# Altium PCB FAB25_01.PcbDoc
Units mm, origin at the board's own origin, x right, y up, seen from the top; angles counter-clockwise.
Board outline 70 x 70 mm, 2 copper layers (Top Layer, Bottom Layer), stack 1.571 mm thick; 15 components, 15 nets, 54 pads, 0 vias.
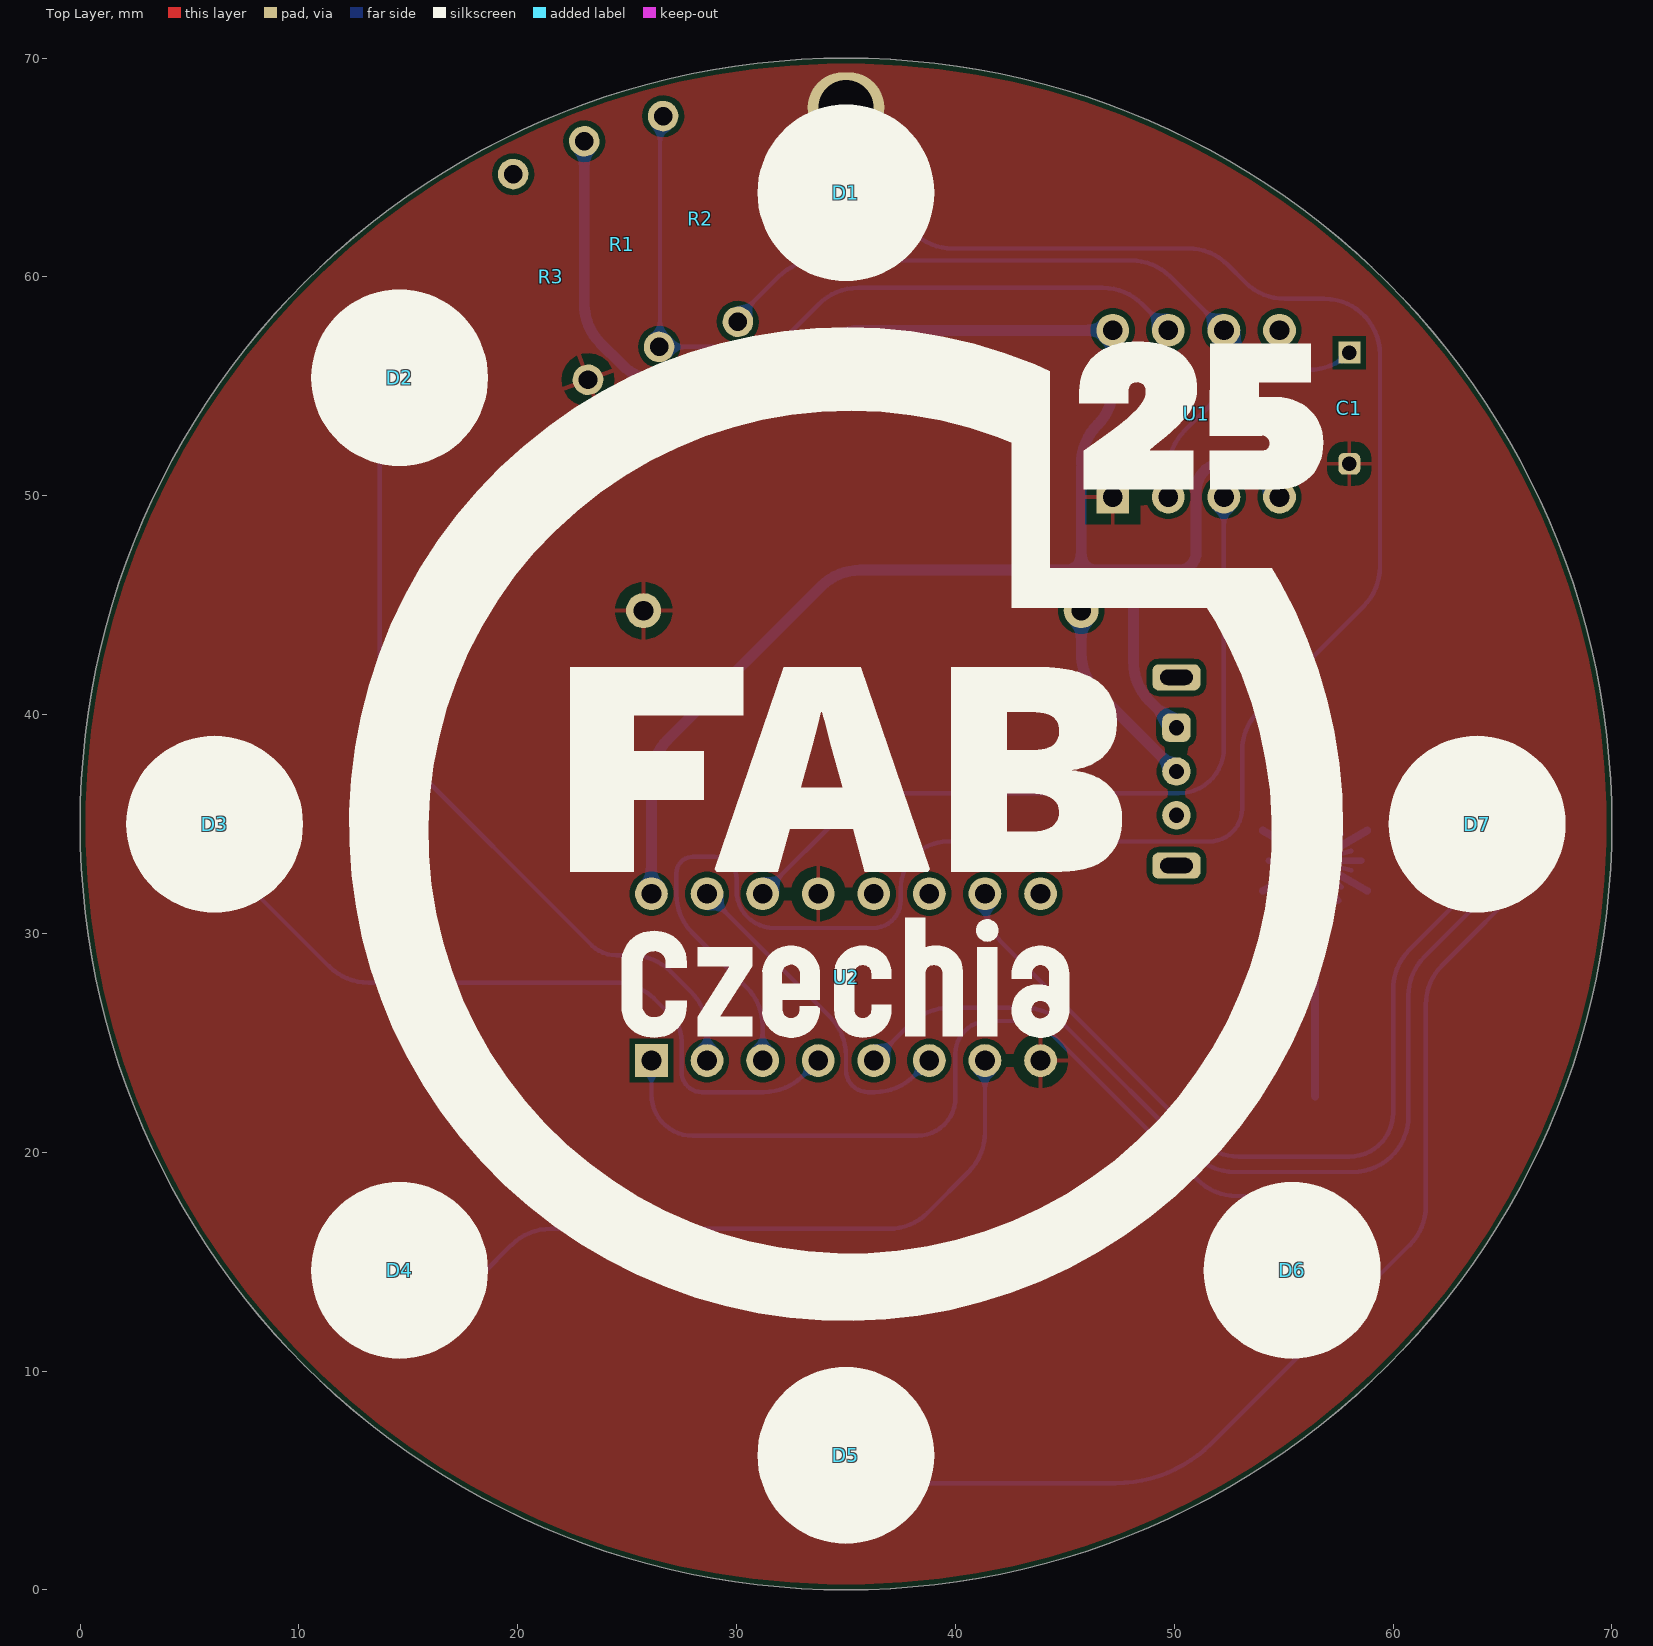
[diagram p0: Top Layer view]
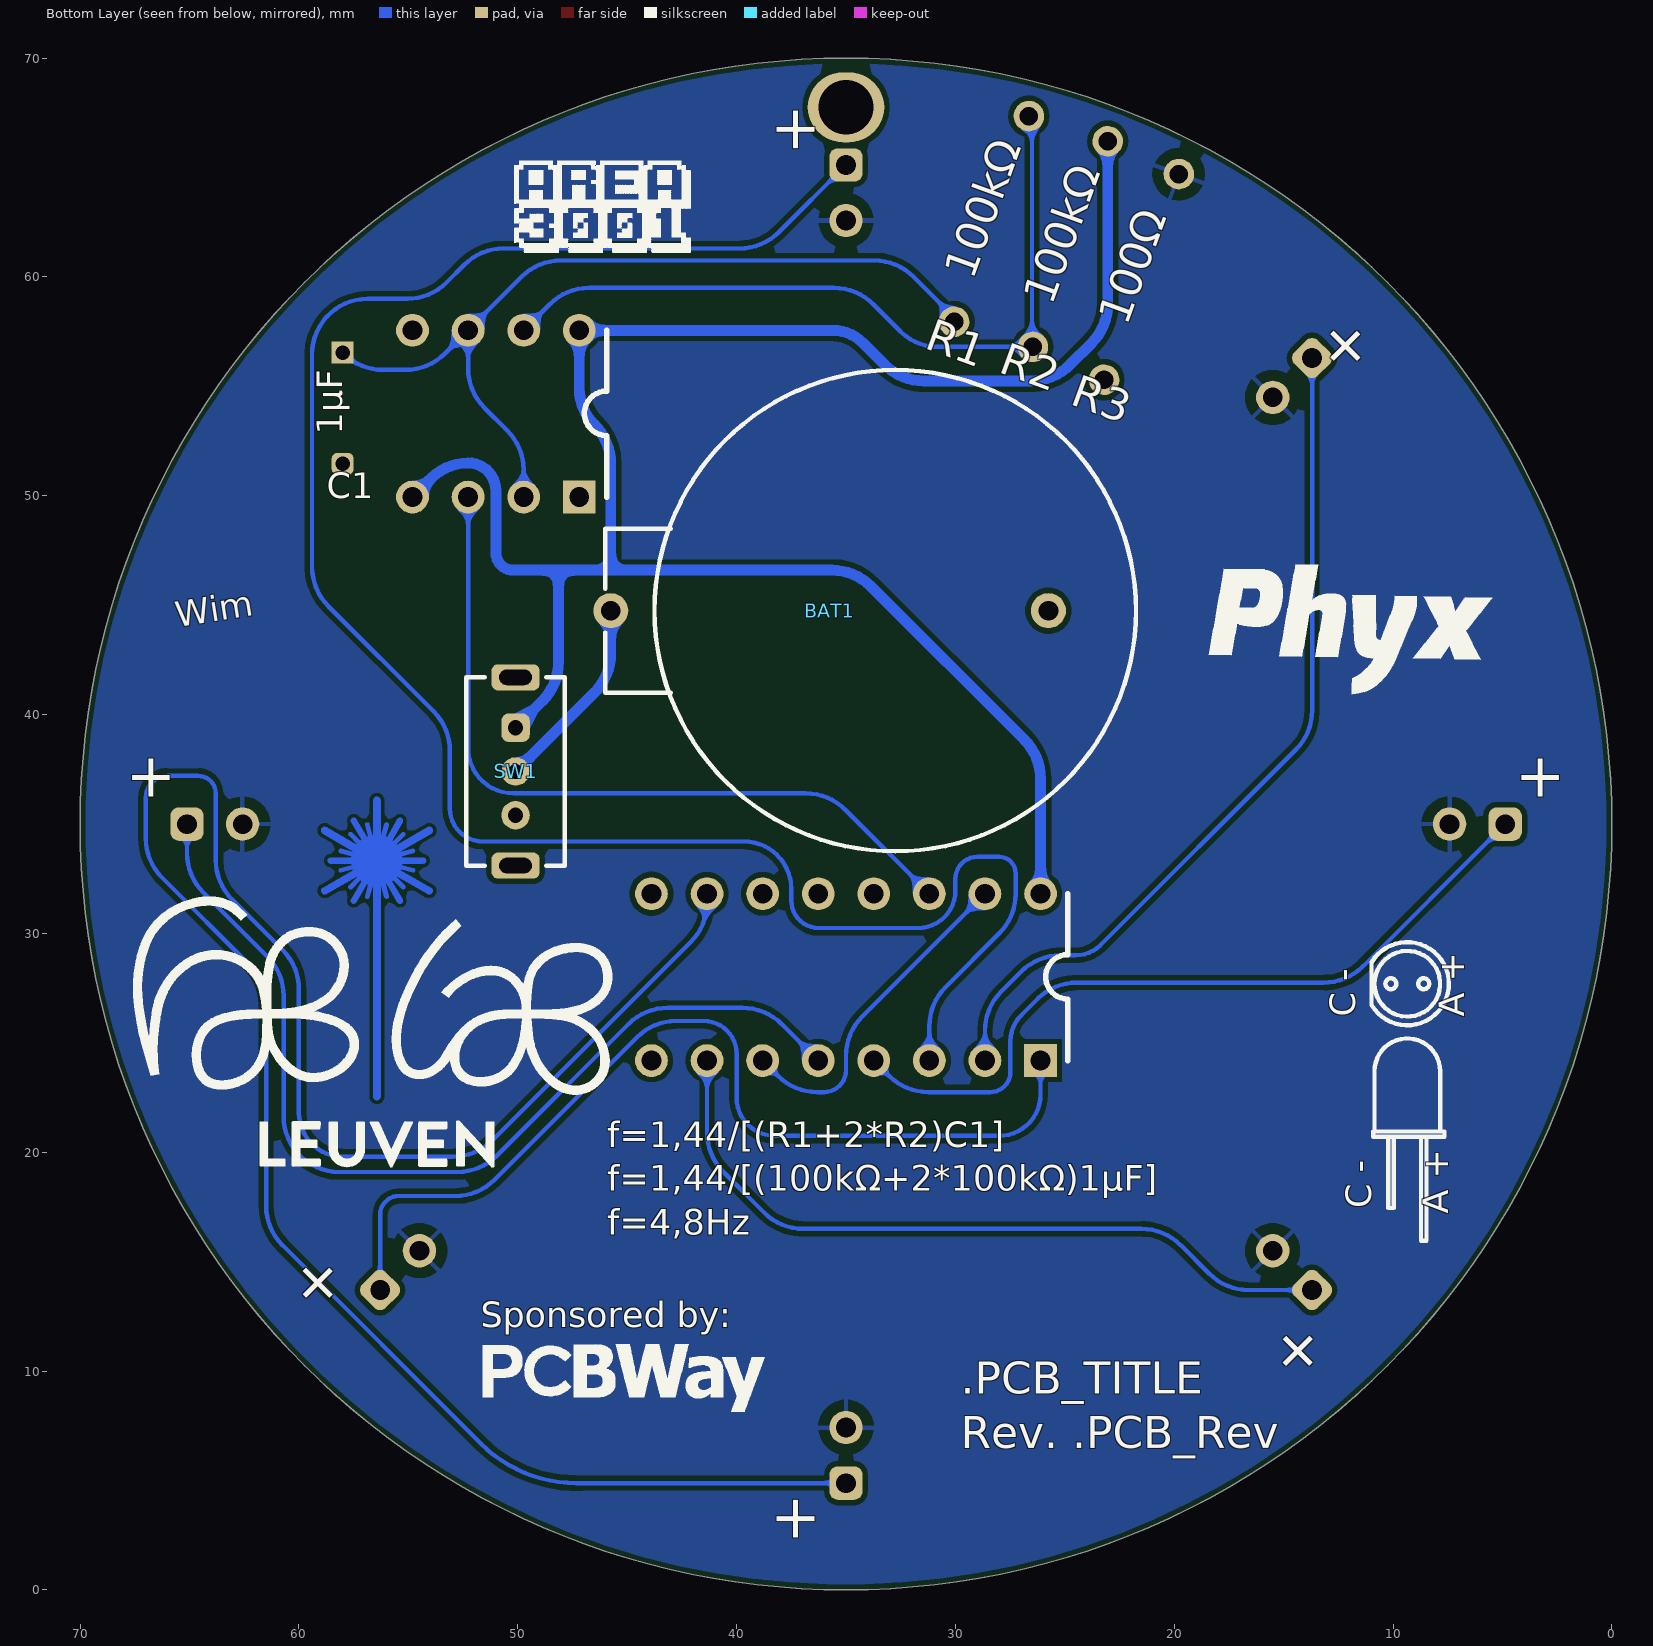
[diagram p1: Bottom Layer view, seen from below]
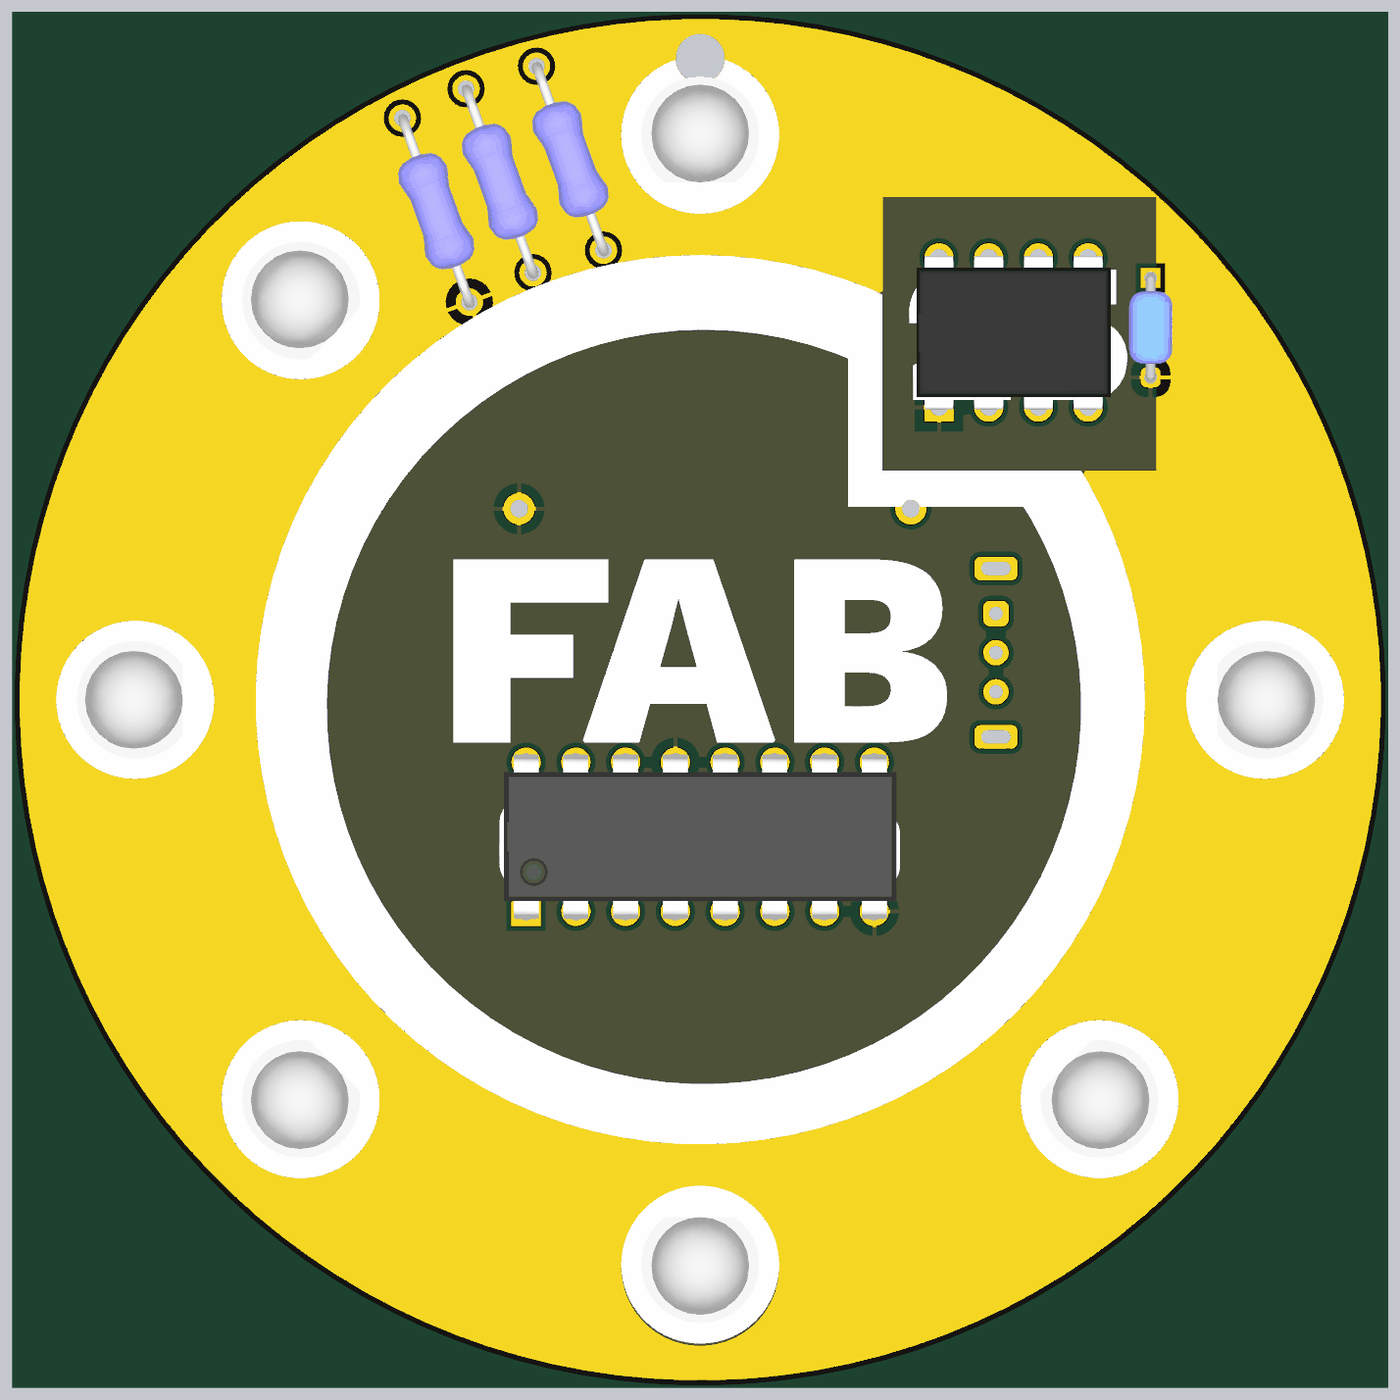
[diagram p2: 3D render of the assembled board from above, using the file's embedded part models]

## Layer stack, top to bottom
Top Solder: solder mask 0.0102, Solder Resist, Dk 3.5
Top Layer: signal copper 0.0356
Dielectric1: core 1.5, FR-4, Dk 4.8
Bottom Layer: signal copper 0.0356
Bottom Solder: solder mask 0.0102, Solder Resist, Dk 3.5

## Board outline
0,35 ccw(c35,35) 35,0 ccw(c35,35) 70,35 ccw(c35,35) 35,70 ccw(c35,35)

## Design rules (kind name [scope] priority, off if disabled: settings)
BoardOutlineClearance [NOT OnLayer('Top Overlay') AND NOT OnLayer('Bottom Overlay') AND NOT IsText AND NOT HasFootprint('MicroBIT_V2_PCB') AND NOT IsKeepOut AND NOT OnLayer('Top Solder')] p1: gap=0.5 ignorepadtopadclearanceinfootprint=FALSE except(0: Arc-SplitContinuation Track-SplitContinuation SMDPad-SplitContinuation THPad-SplitContinuation Via-SplitContinuation Fill-SplitContinuation Poly-SplitContinuation Region-SplitContinuation Text-SplitContinuation; 0.15: SMDPad-OutlineEdge THPad-OutlineEdge; 0.25: Poly-OutlineEdge Region-OutlineEdge; 0.3: Arc-OutlineEdge Track-OutlineEdge; 0.4: Via-OutlineEdge)
Clearance [All] p1: gap=0.15 ignorepadtopadclearanceinfootprint=FALSE except(0: Arc-Hole Track-Hole SMDPad-Hole THPad-Hole Via-Hole Fill-Hole Region-Hole Text-Hole; 0.25: Arc-Poly Track-Poly SMDPad-Poly THPad-Poly Via-Poly Fill-Poly Poly-Hole; 1.1: Poly-Poly)
ComponentClearance ComponentClearance_TP [HasFootprint('TP_2x3mm')] p1: gap=0 collisioncheckmode=3 verticalgap=0 showdistances=FALSE
ComponentClearance ComponentClearance_CO2 [InComponent('P5') OR InComponent('P8') OR InComponent('MOD2') vs InComponent('P5') OR InComponent('P8') OR InComponent('MOD2')] p2: gap=0 collisioncheckmode=3 verticalgap=0 showdistances=FALSE
ComponentClearance ComponentClearance_BAT [InComponent('P4')  OR InComponent('BAT1') OR InComponent('R27') vs InComponent('P4')  OR InComponent('BAT1') OR InComponent('R27')] p3: gap=0 collisioncheckmode=3 verticalgap=0 showdistances=FALSE
ComponentClearance ComponentClearance_R31-T5 [InComponent('R31') OR InComponent('T5') vs InComponent('R31') OR InComponent('T5')] p4: gap=0 collisioncheckmode=3 verticalgap=0 showdistances=FALSE
ComponentClearance "ComponentClearance_Selection resistors" [InComponent('R45') OR InComponent('R44') OR InComponent('R33') OR InComponent('R34') vs InComponent('R45') OR InComponent('R44') OR InComponent('R33') OR InComponent('R34')] p5: gap=0 collisioncheckmode=3 verticalgap=0 showdistances=FALSE
ComponentClearance ComponentClearance_T9-R4 [InComponent('R4') OR InComponent('T9') vs InComponent('R4') OR InComponent('T9')] p6: gap=0 collisioncheckmode=3 verticalgap=0 showdistances=FALSE
ComponentClearance ComponentClearance_IR [InComponent('D6') OR InComponent('D15') vs InComponent('D6') OR InComponent('D15')] p7: gap=0 collisioncheckmode=3 verticalgap=0 showdistances=FALSE
ComponentClearance [All] p8: gap=0.25 collisioncheckmode=3 verticalgap=0.25 showdistances=FALSE
DiffPairsRouting [All] p1: maxlimit=0.254 minlimit=0.2 mostfreqgap=0.2 toplayer_minwidth=0.25 toplayer_maxwidth=0.5 toplayer_prefwidth=0.25 bottomlayer_minwidth=0.25 bottomlayer_maxwidth=0.5 bottomlayer_prefwidth=0.25 maxuncoupledlength=12.7
HoleSize [All] p1: absolutevalues=TRUE maxlimit=20 minlimit=0.025 maxpercent=80.000 minpercent=20.000
PolygonConnect PolygonConnect_VIA [IsVia] p1: connectstyle=Direct reliefconductorwidth=0.254 reliefentries=4 polygonreliefangle="90 Angle" airgapwidth=0.254
PolygonConnect PolygonConnect_TOP_HOLE [InPadClass('LANYARD') vs InNet('GND')] p2: connectstyle=Direct reliefconductorwidth=0.254 reliefentries=4 polygonreliefangle="90 Angle" airgapwidth=0.254
PolygonConnect [All] p3: connectstyle=Relief reliefconductorwidth=0.2 reliefentries=4 polygonreliefangle="90 Angle" airgapwidth=0.5
RoutingVias [All] p1: holewidth=0.3 width=0.7 viastyle="Through Hole" minholewidth=0.3 minwidth=0.2 maxholewidth=0.6 maxwidth=1.2
SilkToSolderMaskClearance SilkscreenOverComponentPads [IsPad] p1: minsilkscreentomaskgap=0.254 clearancetoexposedcopper=TRUE
SolderMaskExpansion [All] p1: expansion=0.05 istentingtop=FALSE
SupplyNets "Schematic Supply Nets_3" [InNet('VBAT')] p1: voltage=0.000
SupplyNets "Schematic Supply Nets_2" [InNet('GND')] p2: voltage=0.000
Width [All] p1: maxlimit=5 minlimit=0.15 preferedwidth=0.25
26 further rules are at their usual default settings.

## Classes and differential pairs
pad class LANYARD: Free-0

## Components (designator, comment, footprint, x,y, rotation, side; value= is the part's Value field where it differs from the comment)
BAT1 "CR2032 Battery Holder" BAT_CR2032_China 38.75,44.75 r0 bottom value=CR2032
C1 "CAP_CERAMIC" C_5.08mm 58,54 r270 top value="1uF 50V X7R"
D1 "Default 5mm Red LED" LED_5MM_RD 34.999,63.845 r270 top
D2 "Default 5mm Red LED" LED_5MM_RD 14.599,55.394 r315 top
D3 "Default 5mm Red LED" LED_5MM_RD 6.148,34.994 r0 top
D4 "Default 5mm Red LED" LED_5MM_RD 14.599,14.601 r45 top
D5 "Default 5mm Red LED" LED_5MM_RD 34.999,6.15 r90 top
D6 "Default 5mm Red LED" LED_5MM_RD 55.392,14.601 r135 top
D7 "Default 5mm Red LED" LED_5MM_RD 63.844,34.994 r180 top
R1 "RESISTOR" RES_10mm 24.75,61.5 r110 top value=100k
R2 "RESISTOR" RES_10mm 28.35,62.65 r110 top value=100k
R3 "RESISTOR" RES_10mm 21.5,60 r110 top value=100R
SW1 "mini Switch 1 pole double throw" SS-12D07 50.1,37.4 r270 bottom value=SS-12D07
U1 "General purpose Timer IC 555 3V DIP 8" DIP_N_8 51,53.75 r0 top value=555
U2 "CD74HC4017 High-Speed CMOS Logic Decade Counter/Divider with 10 Decoded Outputs" DIP_N_16 35,28 r0 top value=CD74HC4017E

## Footprints (in the part's own frame and the unit in brackets; to place one, negate y for a bottom-side part, rotate by r counter-clockwise, add the part's x,y. Pads: shape width x height; smd on the part's side, far side on the other; paste and mask are expansions set on the pad)
BAT_CR2032_China [mm]
  round 1.6 hole 0.9: 1(7,0) 2(-13,0)
  silkscreen extent -17,-11 7.25,11, body extent -17,-11 7.25,11, height 9.2
C_5.08mm [mm] "Ceramic Cap 5.08mm pitch"
  rect 1x1 hole 0.65: 1(-2.54,0)
  rrect50% 1x1 hole 0.65: 2(2.54,0)
  body extent -2.79,-1.1 2.79,1.11, height 6.2
DIP_N_8 [mm] "300mil body width"
  rect 1.5x1.5 hole 0.9: 1(-3.81,-3.81)
  round 1.5 hole 0.9: 2(-1.27,-3.81) 3(1.27,-3.81) 4(3.81,-3.81) 5(3.81,3.81) 6(1.27,3.81) 7(-1.27,3.81) 8(-3.81,3.81)
  body extent -4.95,-3.91 4.95,3.91, height 4.57
DIP_N_16 [mm] "300mil body width"
  rect 1.5x1.5 hole 0.9: 1(-8.89,-3.81)
  round 1.5 hole 0.9: 2(-6.35,-3.81) 3(-3.81,-3.81) 4(-1.27,-3.81) 5(1.27,-3.81) 6(3.81,-3.81) 7(6.35,-3.81) 8(8.89,-3.81) 9(8.89,3.81) 10(6.35,3.81) 11(3.81,3.81) 12(1.27,3.81) 13(-1.27,3.81) 14(-3.81,3.81) 15(-6.35,3.81) 16(-8.89,3.81)
  body extent -10.02,-4.57 10.02,4.57, height 3.6
LED_5MM_RD [mil] "5mm LED RED"
  rrect50% 60x60 hole 35.43: 1(-50,0)
  round 60 hole 35.43: 2(50,0)
  silkscreen extent -118,-118 98,118, body extent -117,-118 96,119, height 485
RES_10mm [mm] "TH 10mm pitch resistor"
  round 1.4 hole 0.85: 1(-5,0) 2(5,0)
  body extent -5.31,-1.3 5.19,1.3, height 2.67
SS-12D07 [mm] "SWITCH, SPDT, THT,"
  rrect50% 1.2x2.2 hole 0.7 slot 1.5 at 90 deg: 0(-4.3,0) 0(4.3,0)
  rrect50% 1.3x1.3 hole 0.7: 1(-2,0)
  round 1.3 hole 0.7: 2(0,0) 3(2,0)
  silkscreen extent -4.3,-2.25 4.3,2.25, body extent -4.3,-2.25 4.3,2.25, height 7.7

## Part data
BAT1: library part "BAT 20mm Coin Cell Holder Generic", "=Description", Supplier Part Number 1=C5239862, Supplier 1=LCSC, Supplier 2=LCSC, Supplier Part Number 2=C70376
C1: library part "CAP 1uF 50V X7R 5.08mm", "Capacitor Ceramic", Supplier Part Number 1=C263186, Supplier 1=LCSC, Supplier 2=LCSC, Supplier Part Number 2=C5632434
D1 D2 D3 D4 D5 D6 D7: library part "LED Red 5mm", "=Description", Supplier Part Number 1=2335725, Supplier 1=Farnell, Supplier 2=LCSC, Supplier Part Number 2=C2895484
R1 R2: library part "RES 100k 1/4W", Supplier Part Number 1=C2903268, Supplier 1=LCSC, Supplier 2=LCSC, Supplier 3=Generic, Supplier Part Number 2=C2843019, Supplier Part Number 3="100k 1/4W 1% TH 10mm"
R3: library part "RES 100R 1/4W", Supplier Part Number 1=C57438, Supplier 1=LCSC, Supplier 2=LCSC, Supplier 3=Generic, Supplier Part Number 2=C2903231, Supplier Part Number 3="100R 1/4W 1% TH 10mm"
SW1: library part "SW 1P2T micro SS-12D07", Supplier Part Number 1=C22435632, Supplier 1=LCSC, Supplier 2=LCSC, Supplier 3=LCSC, Supplier Part Number 2=C22435634, Supplier Part Number 3=C22435633
U1: library part "555 Timer DIP8 3V", "=Description", Supplier Part Number 1=C725329, Supplier 1=LCSC, Supplier 2=LCSC, Supplier Part Number 2=C5274684
U2: library part "COUNT CD74HC4017E DIP16", "=Description", Supplier Part Number 1=CD74HC4017E, Supplier 1=Ti, Supplier 2=LCSC, Supplier 3=Farnell, Supplier Part Number 2=C354048, Supplier Part Number 3=3119779

## Free pads (board coordinates)
  oval 3.5x3.2 hole 2.5 mask+0.1: 0(35,67.75)

## Nets (pads, with @x,y where several pads share a name; then routed paths per layer and width w, separated by ;. In a path a pad name is that pad's centre, name@x,y a point inside that pad or via, vN(x,y) a via of type N, cw(c..) or ccw(c..) an arc to the next point about the centre after c; other vN are vias at no path point)
CLOCK: U1.3 U2.14 | length 35.5
  Bottom Layer w0.2: U2.14 35.036,35.656 cw(c36.832,33.86) 36.832,36.4 50.2,36.4 ccw(c50.2,38.47) 52.27,38.47 U1.3
GND: BAT1.2 C1.2 pad.0 R3.1 U1.1 U2.8 U2.13
LED_C: D1.2 D2.2 D3.2 D4.2 D5.2 D6.2 D7.2 R3.2 | length 0.1
  Bottom Layer w0.2: R3.2 ccw(c19.79,64.849) R3.2@19.896,64.743
NetBAT1_1: BAT1.1 SW1.2 | length 9
  Bottom Layer w0.5: BAT1.1 45.75,42.802 ccw(c48.29,42.802) 46.494,41.006 SW1.2
NetC1_1: C1.1 R2.1 U1.2 U1.6 | length 39.6
  Bottom Layer w0.2: R2.1@29.96,58.052 31.915,60.006 cw(c33.711,58.21) 33.711,60.75 48.028,60.75 cw(c48.028,58.21) 49.824,60.006 U1.6 ; U1.2 49.73,51.178 cw(c52.27,51.178) 50.474,52.974 51.526,54.026 ccw(c49.73,55.822) 52.27,55.822 U1.6 ; C1.1 57.954,56.494 cw(c56.158,58.29) 56.158,55.75 55.132,55.75 cw(c55.132,58.29) 53.336,56.494 U1.6
NetD1_1: D1.1 U2.3 | length 92.9
  Bottom Layer w0.2: U2.3 31.19,25.758 ccw(c28.65,25.758) 30.446,27.554 27.994,30.006 cw(c29.79,31.802) 27.25,31.802 27.25,32.75 cw(c28,32.75) 28,33.5 29,33.5 cw(c29,32.5) 30,32.5 30,31.957 ccw(c31.707,31.957) 30.5,30.75 ccw(c31.707,31.957) 31.707,30.25 36.25,30.25 ccw(c36.25,31.5) 37.5,31.5 37.5,32.036 cw(c39.664,32.036) 39.664,34.2 51.6,34.2 ccw(c51.6,35.7) 53.1,35.7 53.1,38.348 cw(c55.64,38.348) 53.844,40.144 58.656,44.956 ccw(c56.86,46.752) 59.4,46.752 59.4,56.46 ccw(c56.86,56.46) 56.86,59 55.052,59 cw(c55.052,61.54) 53.256,59.744 52.444,60.556 ccw(c50.648,58.76) 50.648,61.3 39.867,61.3 cw(c39.867,63.84) 38.071,62.044 D1.1
NetD2_1: D2.1 U2.2 | length 39.3
  Bottom Layer w0.2: D2.1 13.701,40.191 ccw(c16.241,40.191) 14.445,38.395 23.373,29.467 ccw(c24.5,30.593) 24.5,29 25.198,29 cw(c25.198,26.46) 26.994,28.256 27.906,27.344 cw(c26.11,25.548) 28.65,25.548 U2.2
NetD3_1: D3.1 U2.4 | length 35.5
  Bottom Layer w0.2: D3.1 5.286,34.586 11.378,28.494 ccw(c13.174,30.29) 13.174,27.75 13.929,27.75 24.448,27.75 cw(c24.448,25.21) 26.244,27.006 27,26.25 cw(c25.825,25.075) 27.487,25.075 27.487,23.672 ccw(c28.409,23.672) 28.409,22.75 31.238,22.75 ccw(c31.238,25.29) 33.034,23.494 U2.4
NetD4_1: D4.1 U2.7 | length 34.1
  Bottom Layer w0.2: D4.1 16.6,13.703 ccw(c16.6,16.243) 18.396,14.447 19.705,15.756 cw(c21.501,13.96) 21.501,16.5 36.948,16.5 ccw(c36.948,19.04) 38.744,17.244 40.606,19.106 ccw(c38.81,20.902) 41.35,20.902 U2.7
NetD5_1: D5.1 U2.10 | length 98.3
  Bottom Layer w0.2: D5.1 47.318,4.88 ccw(c47.318,11.063) 51.691,6.691 60.756,15.756 ccw(c58.96,17.552) 61.5,17.552 61.5,26.748 cw(c64.04,26.748) 62.244,28.544 66.256,32.556 ccw(c64.46,34.352) 67,34.352 67,36.2 ccw(c66,36.2) 66,37.2 64.6,37.2 ccw(c64.6,36.4) 63.8,36.4 63.8,33.352 cw(c61.26,33.352) 63.056,31.556 60.744,29.244 ccw(c62.54,27.448) 60,27.448 60,21.8 cw(c58,21.8) 58,19.8 52.952,19.8 cw(c52.952,22.34) 51.156,20.544 42.094,29.606 cw(c43.89,31.402) 41.35,31.402 U2.10
NetD6_1: D6.1 U2.1 | length 43.7
  Bottom Layer w0.2: U2.1 26.11,22.64 ccw(c28,22.64) 28,20.75 38.25,20.75 ccw(c38.25,22.5) 40,22.5 40,24.5 cw(c41.5,24.5) 41.5,26 42.754,26 cw(c42.754,23.46) 44.55,25.256 51.062,18.744 ccw(c52.858,20.54) 52.858,18 55.434,18 cw(c55.434,17.144) 56.29,17.144 D6.1
NetD7_1: D7.1 U2.5 | length 44.6
  Bottom Layer w0.2: U2.5 37.936,25.856 cw(c39.732,24.06) 39.732,26.6 43.148,26.6 cw(c43.148,24.06) 44.944,25.856 50.956,19.844 ccw(c52.752,21.64) 52.752,19.1 58.16,19.1 ccw(c58.16,21.64) 60.7,21.64 60.7,27.148 cw(c63.24,27.148) 61.444,28.944 64.37,31.87 ccw(c62.574,33.666) 65.114,33.666 D7.1
NetR1_1: R1.1 R2.2 U1.7 | length 35.6
  Bottom Layer w0.2: R2.2@26.54,67.448 R2.2 26.5,67.209 26.5,56.841 R1.1 30.814,56.802 ccw(c30.814,59.186) 32.5,57.5 33.756,58.756 cw(c35.552,56.96) 35.552,59.5 46.738,59.5 cw(c46.738,56.96) 48.534,58.756 U1.7
NetU2_6: U2.6 U2.15 | length 15.4
  Bottom Layer w0.2: U2.15 34.256,26.204 cw(c32.46,24.408) 35,24.408 35,23.75 ccw(c36,23.75) 36,22.75 36.318,22.75 ccw(c36.318,25.29) 38.114,23.494 U2.6
VBAT: R1.2 SW1.1 U1.4 U1.8 U2.16 | length 96.2
  Bottom Layer w0.5: R1.2 23.04,58.762 ccw(c25.58,58.762) 23.784,56.966 24.756,55.994 ccw(c26.552,57.79) 26.552,55.25 31.448,55.25 ccw(c31.448,57.79) 33.244,55.994 34.25,57 cw(c35.602,55.648) 35.602,57.56 U1.8 47.19,54.916 cw(c44.834,54.916) 46.5,53.25 46.494,53.244 ccw(c48.29,51.448) 45.75,51.448 ; U2.16 26.11,37.058 cw(c28.65,37.058) 26.854,38.854 33.856,45.856 cw(c35.652,44.06) 35.652,46.6 45.75,46.6 ; 45.75,51.3 45.75,46.6 ; SW1.1 48.881,40.619 cw(c50.677,42.415) 48.137,42.415 48.137,46.6 ; U1.4 53.943,50.807 ccw(c52.27,49.134) 52.27,51.5 ccw(c52.27,50.23) 51,50.23 51,47.4 cw(c50.2,47.4) 50.2,46.6 48.137,46.6 ; 45.75,46.6 48.137,46.6
pads on no net: SW1.0 SW1.3 U1.5 U2.9 U2.11 U2.12

## Polygon pours and split planes (outlines as drawn)
GND on Top Layer "NONET_L-01_P-001" (solid, remove dead copper, pour order 5): 0,0 0,70 70,70 70,0
LED_C on Bottom Layer "NONET_L-01_P-001" (solid, remove dead copper, pour order 1): 0,0 0,70 70,70 70,0

## Other copper
Bottom Layer:
  region: 58.731,31.803 ccw(c58.814,31.948) 58.898,32.093 57.524,32.887 ccw(c56.443,33.333) 57.539,32.926 58.053,32.788 ccw(c58.079,32.885) 58.105,32.982 57.593,33.12 ccw(c56.443,33.333) 57.604,33.19 58.552,33.19 ccw(c58.552,33.324) 58.552,33.458 57.606,33.458 ccw(c56.443,33.333) 57.596,33.532 58.106,33.668 ccw(c58.08,33.765) 58.054,33.862 57.544,33.726 ccw(c56.443,33.333) 57.53,33.765 58.903,34.559 ccw(c58.82,34.704) 58.736,34.849 57.363,34.055 ccw(c56.443,33.333) 57.339,34.085 57.709,34.455 ccw(c57.638,34.526) 57.567,34.597 57.197,34.227 ccw(c56.443,33.333) 57.14,34.272 57.61,35.087 ccw(c57.494,35.154) 57.378,35.221 56.908,34.406 ccw(c56.443,33.333) 56.838,34.434 56.975,34.942 ccw(c56.877,34.968) 56.78,34.994 56.644,34.485 ccw(c56.443,33.333) 56.604,34.492 56.604,36.082 ccw(c56.437,36.082) 56.27,36.082 56.27,34.49 ccw(c56.443,33.333) 56.231,34.483 56.094,34.994 ccw(c55.997,34.969) 55.897,34.969 ccw(c55.997,34.969) 55.9,34.943 56.037,34.43 ccw(c56.443,33.333) 55.969,34.402 55.496,35.22 ccw(c55.38,35.153) 55.246,35.153 ccw(c55.38,35.153) 55.264,35.086 55.738,34.266 ccw(c56.443,33.333) 55.683,34.222 55.308,34.598 ccw(c55.237,34.527) 55.136,34.527 ccw(c55.237,34.527) 55.166,34.456 55.542,34.079 ccw(c56.443,33.333) 55.517,34.047 54.13,34.849 ccw(c54.046,34.704) 53.879,34.704 ccw(c54.046,34.704) 53.963,34.559 55.353,33.756 ccw(c56.443,33.333) 55.341,33.726 54.821,33.865 ccw(c54.795,33.768) 54.695,33.768 ccw(c54.795,33.768) 54.769,33.671 55.29,33.531 ccw(c56.443,33.333) 55.28,33.457 54.324,33.456 ccw(c54.324,33.322) 54.19,33.322 ccw(c54.324,33.322) 54.324,33.188 55.283,33.189 ccw(c56.443,33.333) 55.292,33.125 54.768,32.985 ccw(c54.794,32.888) 54.694,32.888 ccw(c54.794,32.888) 54.82,32.791 55.345,32.931 ccw(c56.443,33.333) 55.358,32.896 53.968,32.092 ccw(c54.052,31.948) 53.885,31.948 ccw(c54.052,31.948) 54.136,31.803 55.527,32.607 ccw(c56.443,33.333) 55.547,32.581 55.16,32.195 ccw(c55.231,32.124) 55.131,32.124 ccw(c55.231,32.124) 55.302,32.052 55.689,32.439 ccw(c56.443,33.333) 55.747,32.393 55.266,31.559 ccw(c55.382,31.492) 55.248,31.492 ccw(c55.382,31.492) 55.498,31.425 55.979,32.26 ccw(c56.443,33.333) 56.039,32.236 55.897,31.71 ccw(c55.994,31.684) 55.894,31.684 ccw(c55.994,31.684) 56.091,31.658 56.233,32.183 ccw(c56.443,33.333) 56.27,32.177 56.27,22.542 ccw(c56.437,22.542) 56.604,22.542 56.604,32.175 ccw(c56.443,33.333) 56.638,32.18 56.777,31.657 ccw(c56.874,31.683) 56.972,31.709 56.832,32.23 ccw(c56.443,33.333) 56.9,32.257 57.38,31.426 ccw(c57.496,31.493) 57.612,31.56 57.133,32.389 ccw(c56.443,33.333) 57.187,32.431 57.568,32.049 ccw(c57.639,32.12) 57.71,32.191 57.33,32.571 ccw(c56.443,33.333) 57.353,32.599

## Silkscreen, mask and mechanical layers (free items; w line width, h text height)
Top Overlay:
  drawing of 21 lines, arcs and shapes, not listed
Bottom Overlay:
  drawing of 60 lines, arcs and shapes, not listed
  text "+" at 38.166,65.582 h2 r90
  text "100kΩ" at 28.745,59.633 h2.5 r290
  text "100kΩ" at 25.145,58.483 h2.5 r290
  text "100Ω" at 21.717,57.55 h2.5 r290
  text "R1" at 31.633,56.302 h2.5 r20
  text "+" at 12.358,55.415 h2 r315
  text "R2" at 28.252,55.221 h2.5 r20
  text "R3" at 24.989,53.738 h2.5 r20
  text "1µF" at 57.633,52.778 h2 r270
  text "C1" at 58.726,49.493 h2
  text "Wim" at 65.5,43.6 h2 r351
  text "+" at 4.418,37.984 h2 r180
  text "+" at 65.6,37.984 h2 r180
  text "A +" at 6.35,26.2 h2 r270
  text "C -" at 11.35,26.2 h2 r270
  text "C -" at 10.6,17.45 h2 r270
  text "A +" at 7.1,17.2 h2 r270
  text "f=1,44/[(R1+2*R2)C1] / f=1,44/[(100kΩ+2*100kΩ)1µF] / f=4,8Hz" at 45.9,15.844 h2
  text "+" at 58.924,15.455 h2 r135
  text "Sponsored by:" at 51.7,11.617 h2
  text "+" at 15.777,11.107 h2 r45
  text ".PCB_TITLE / Rev. .PCB_Rev" at 29.749,5.987 h2.5 r359.98
  text "+" at 38.165,4.4 h2 r90
Top Solder:
  drawing of 10 lines, arcs and shapes, not listed
Bottom Solder:
  drawing of 2 lines, arcs and shapes, not listed
Board Outline:
  circle w0.254: c35,35 r35
Comments:
  drawing of 403 lines, arcs and shapes, not listed
Fabrication:
  lines w0.006: 35,0 cw(c35,35) 0,35 cw(c35,35) 35,69.999
  text "Blue Solder Mask" at -71.25,-44 h1.5
  text "White Silkscreen" at -71.25,-47 h1.5
  text "1.6mm Thickness" at -71.25,-53 h1.5
Frame:
  drawing of 15 lines, arcs and shapes, not listed
  text "Document" at 220.152,-110.811 h2
  text ".PCB_TITLE" at 221.652,-116.311 h3.2
  text "Layer Name" at 220.152,-120.811 h2
  text "Date" at 220.152,-130.811 h2
  text "Rev" at 260.152,-130.811 h2
  text ".Print_Date" at 223.152,-136.311 h3.5
  text ".PCB_REV" at 264.652,-136.311 h4
  text "Desginer" at 170.152,-140.811 h2
  text "Document" at 220.152,-140.811 h2
  text ".Pcb_File_Name_No_Path" at 221.652,-145.811 h1.5
  text ".PCB_ENGINEER" at 174.652,-146.311 h4
Drill Drawing:
  circle w0.15: c122.494,18.544 r0.444
  lines w0.15: 121.247,15.5 262.527,15.5 ; 121.247,27.5 262.527,27.5 ; 128.645,13.5 128.645,29.5 ; 135.877,13.5 135.877,29.5 ; 150.572,13.5 150.572,29.5 ; 157.371,13.5 157.371,29.5 ; 167.208,13.5 167.208,29.5 ; 187.235,13.5 187.235,29.5 ; 195.153,13.5 195.153,29.5 ; 209.716,13.5 209.716,29.5 ; 229.21,13.5 229.21,29.5 ; 243.772,13.5 243.772,29.5 ; 121.247,13.5 262.527,13.5 262.527,29.5 121.247,29.5 121.247,13.5 ; 122.049,16.1 122.938,16.1 122.938,16.989 122.049,16.989 122.049,16.1 ; 122.049,20.322 122.271,20.322 122.271,20.1 122.716,20.1 122.716,20.322 122.938,20.322 122.938,20.767 122.716,20.767 122.716,20.989 122.271,20.989 122.271,20.767 122.049,20.767 122.049,20.322 ; 122.049,22.1 122.494,22.322 122.938,22.1 122.716,22.544 122.938,22.989 122.494,22.767 122.049,22.989 122.271,22.544 122.049,22.1 ; 122.049,24.989 122.938,24.989 122.494,24.1 122.049,24.989 ; 122.049,26.322 122.271,26.322 122.494,26.1 122.716,26.322 122.938,26.322 122.716,26.544 122.938,26.767 122.716,26.767 122.494,26.989 122.271,26.767 122.049,26.767 122.271,26.544 122.049,26.322
  text "Symbol" at 122.447,28.1 h0.96
  text "Count" at 129.245,28.1 h0.96
  text "Hole Size" at 136.477,28.1 h0.96
  text "Plated" at 151.172,28.1 h0.96
  text "Hole Type" at 157.971,28.1 h0.96
  text "Drill Layer Pair" at 167.808,28.1 h0.96
  text "Via/Pad" at 187.835,28.1 h0.96
  text "Pad Shape" at 195.753,28.1 h0.96
  text "Template" at 210.316,28.1 h0.96
  text "Hole Length" at 229.81,28.1 h0.96
  text "Routed Path Length" at 244.372,28.1 h0.96
  text "1" at 129.245,26.1 h0.8
  text "2.500mm (98.43mil)" at 136.477,26.1 h0.8
  text "PTH" at 151.172,26.1 h0.8
  text "Round" at 157.971,26.1 h0.8
  text "Top Layer - Bottom Layer" at 167.808,26.1 h0.8
  text "Pad" at 187.835,26.1 h0.8
  text "Rounded" at 195.753,26.1 h0.8
  text "r350_320h250r160m270mx0" at 210.316,26.1 h0.8
  text "-" at 229.81,26.1 h0.8
  text "-" at 244.372,26.1 h0.8
  text "2" at 129.245,24.1 h0.8
  text "0.650mm (25.59mil)" at 136.477,24.1 h0.8
  text "PTH" at 151.172,24.1 h0.8
  text "Round" at 157.971,24.1 h0.8
  text "Top Layer - Bottom Layer" at 167.808,24.1 h0.8
  text "Pad" at 187.835,24.1 h0.8
  text "(Mixed)" at 195.753,24.1 h0.8
  text "(Mixed)" at 210.316,24.1 h0.8
  text "-" at 229.81,24.1 h0.8
  text "-" at 244.372,24.1 h0.8
  text "2" at 129.245,22.1 h0.8
  text "0.700mm (27.56mil)" at 136.477,22.1 h0.8
  text "PTH" at 151.172,22.1 h0.8
  text "Slot" at 157.971,22.1 h0.8
  text "Top Layer - Bottom Layer" at 167.808,22.1 h0.8
  text "Pad" at 187.835,22.1 h0.8
  text "Rounded Rectangle" at 195.753,22.1 h0.8
  text "r220_120h70_150r30" at 210.316,22.1 h0.8
  text "1.500mm (59.06mil)" at 229.81,22.1 h0.8
  text "0.800mm (31.50mil)" at 244.372,22.1 h0.8
  text "3" at 129.245,20.1 h0.8
  text "0.700mm (27.56mil)" at 136.477,20.1 h0.8
  text "PTH" at 151.172,20.1 h0.8
  text "Round" at 157.971,20.1 h0.8
  text "Top Layer - Bottom Layer" at 167.808,20.1 h0.8
  text "Pad" at 187.835,20.1 h0.8
  text "(Mixed)" at 195.753,20.1 h0.8
  text "(Mixed)" at 210.316,20.1 h0.8
  text "-" at 229.81,20.1 h0.8
  text "-" at 244.372,20.1 h0.8
  text "6" at 129.245,18.1 h0.8
  text "0.850mm (33.47mil)" at 136.477,18.1 h0.8
  text "PTH" at 151.172,18.1 h0.8
  text "Round" at 157.971,18.1 h0.8
  text "Top Layer - Bottom Layer" at 167.808,18.1 h0.8
  text "Pad" at 187.835,18.1 h0.8
  text "Rounded" at 195.753,18.1 h0.8
  text "c140h85" at 210.316,18.1 h0.8
  text "-" at 229.81,18.1 h0.8
  text "-" at 244.372,18.1 h0.8
  text "40" at 129.245,16.1 h0.8
  text "0.900mm (35.43mil)" at 136.477,16.1 h0.8
  text "PTH" at 151.172,16.1 h0.8
  text "Round" at 157.971,16.1 h0.8
  text "Top Layer - Bottom Layer" at 167.808,16.1 h0.8
  text "Pad" at 187.835,16.1 h0.8
  text "(Mixed)" at 195.753,16.1 h0.8
  text "(Mixed)" at 210.316,16.1 h0.8
  text "-" at 229.81,16.1 h0.8
  text "-" at 244.372,16.1 h0.8
  text "54 Total" at 129.245,14.1 h0.8
  text "Slot definitions :" at 122.447,12.134 h0.8
  text "Routed Path Length" at 136.263,12.134 h0.8
  text "= Calculated from tool start centre position to tool end centre position." at 151.011,12.134 h0.8
  text "Hole Length" at 136.263,10.767 h0.8
  text "= Routed Path Length + Tool Size = Slot length as defined in the PCB layout" at 145.547,10.767 h0.8

## Dimensions
35,70 to 35,0 on Fabrication
0,35 to 70,35 on Fabrication